# KiCad board boatcontrol.kicad_pcb (continued)
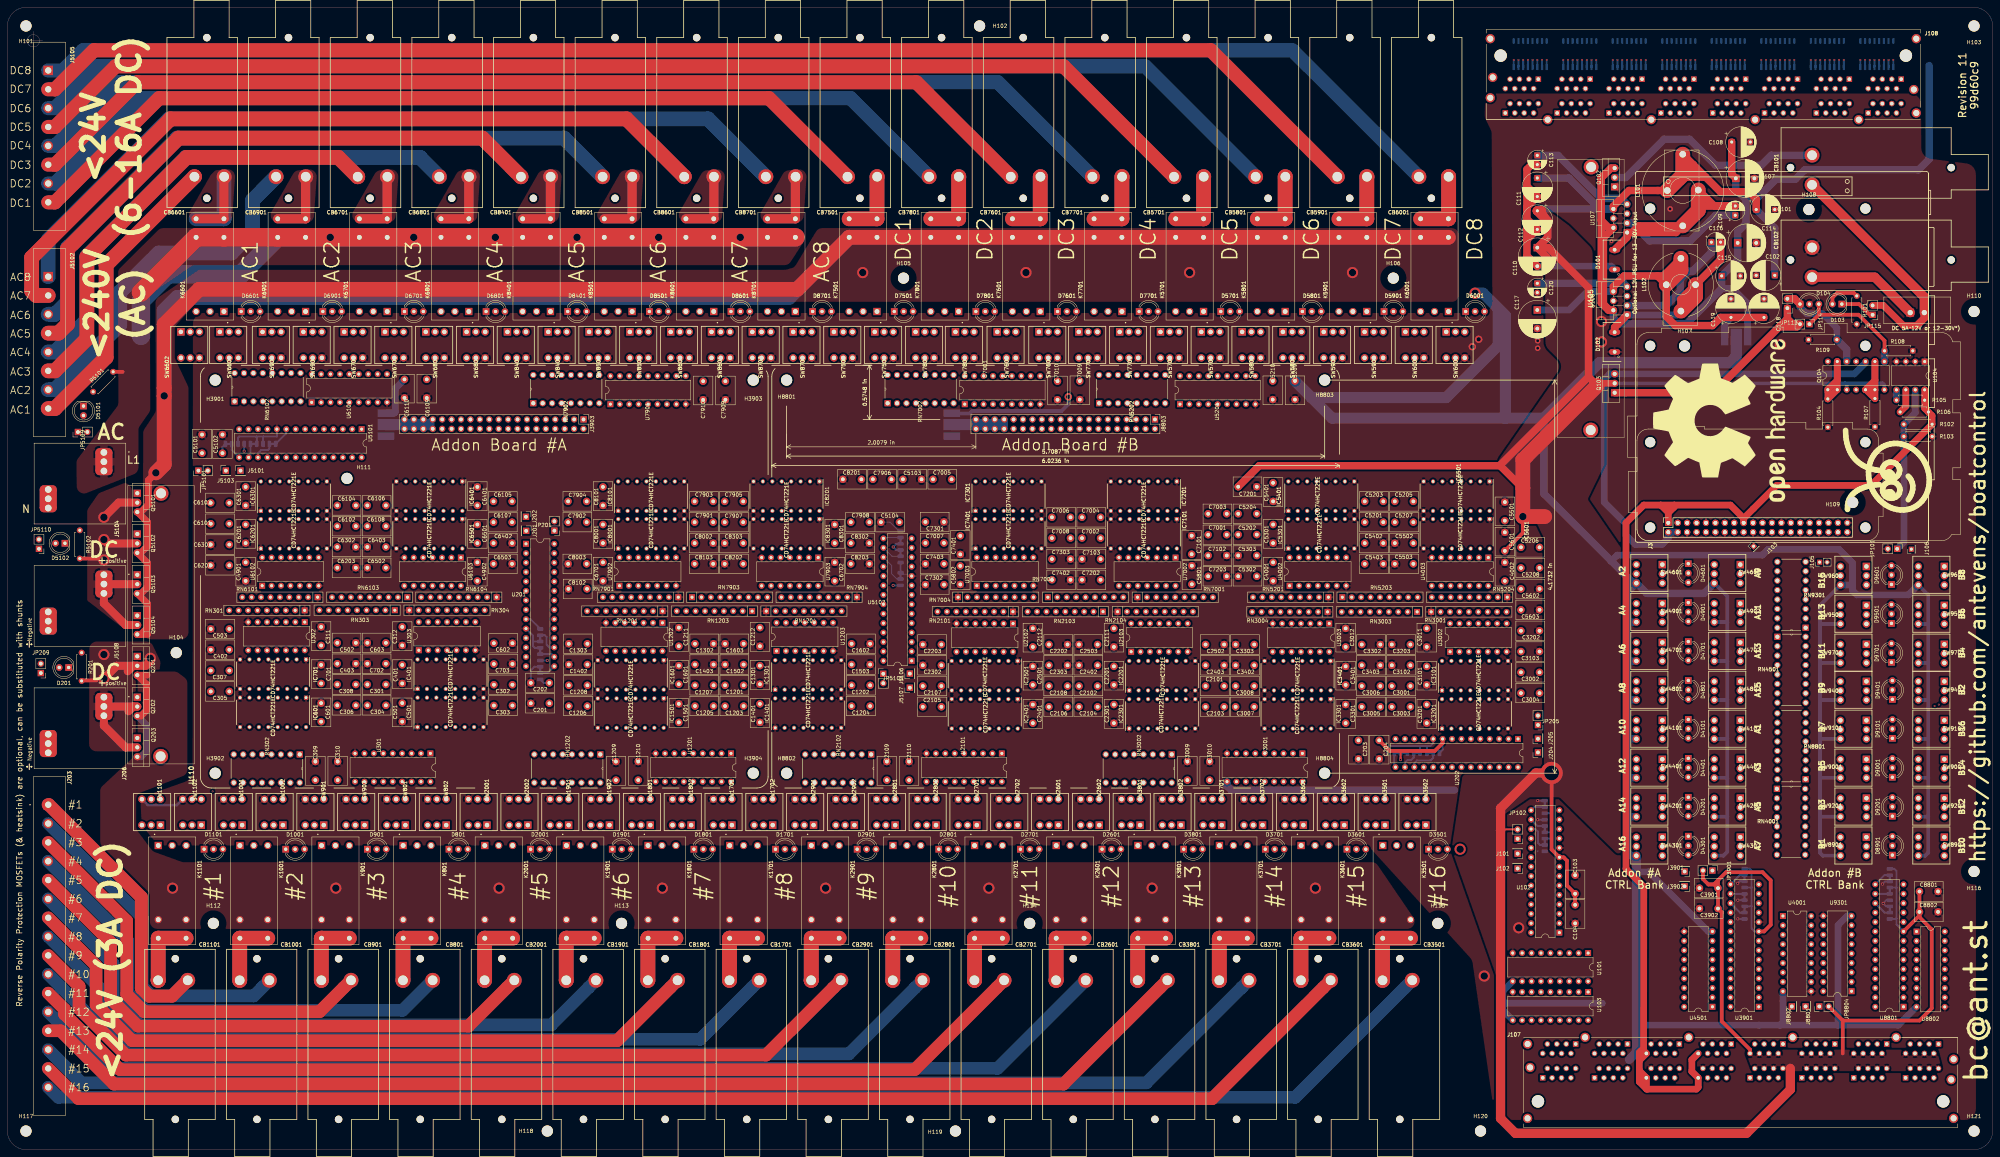
[diagram p0: board, top side]
## Routing (per net, layer and track width the routed paths; a pad name or vN(x,y) marks a point on that pad's centre or on a via; arc(x,y) is an arc through that point) (continued)
/RPiBCM19_MISO: length 249
  In1.Cu w0.25: 490.8,169.02 489.95,169.87 489.93,169.87 489.06,170.75 487.95,170.75 485.39,173.3 478.04,173.3 475.6,175.75 467.16,175.75 464.9,178 459.39,178 456.39,181 437.18,181 436.48,180.3 436.47,180.3 429.97,173.8 v4(428.7,173.8)
  In2.Cu w0.25: J107.L_6 462.01,22.83 461.03,23.82 441.38,23.82 440.08,25.12 440.08,34.49 437.2,37.38 437.2,63.41 426.62,73.98 426.62,171.72 v4(428.7,173.8)
/RPIBCM20_MOSI: length 256.6
  In1.Cu w0.25: 493.34,166.48 492.03,167.79 492.03,169.61 490.39,171.25 488.16,171.25 485.6,173.8 478.25,173.8 475.8,176.25 467.37,176.25 465.11,178.5 459.59,178.5 456.59,181.5 436.96,181.5 429.89,174.43 427.93,174.43 v4(427.4,173.9)
  In2.Cu w0.25: J107.L_5 460.75,22.27 459.7,23.32 441.18,23.32 439.58,24.91 439.58,34.29 436.7,37.17 436.7,63.2 426.12,73.78 426.12,172.62 v4(427.4,173.9)
/RPiBCM21_SCLK: length 273.9
  In1.Cu w0.25: 495.88,166.48 494.57,167.79 494.57,169.61 481.67,182.5 433.5,182.5 v4(426.2,175.2) ; J107.L_4 459.48,18.87 457.08,16.47 440.3,16.47 438.08,18.69 438.08,29.08 427.68,39.49 427.68,53.6 423.12,58.15 422.6,58.15 419.62,61.13 419.62,75.28 421,76.66 v4(421,81)
  In2.Cu w0.25: v4(421,81) 425.12,85.12 425.12,174.12 v4(426.2,175.2)
/RPiBCM22: length 194.5
  In1.Cu w0.25: 465.4,169.02 462.42,172 456.9,172 453.9,175 439.86,175 435.15,170.3 435.15,166.6 434.35,165.8 v4(434,165.8)
  In2.Cu w0.25: v4(434,165.8) 433.65,165.8 432.62,164.78 432.62,76.52 443.2,65.94 443.2,39.86 450.18,32.88 456.48,32.88 459.28,30.08 460.4,30.08 J107.D_3
/RPiBCM23: length 332
  In1.Cu w0.25: 465.4,166.48 464.09,167.79 464.09,169.61 463.45,170.25 462.34,170.25 461.09,171.5 456.69,171.5 453.69,174.5 440.06,174.5 435.65,170.09 435.65,166.3 434.35,165 v4(434,165)
  In2.Cu w0.25: 433.12,76.73 443.7,66.15 443.7,40.07 449.19,34.57 ; 433.12,76.73 433.12,160.95 ; 433.12,76.73 443.75,66.1 443.75,40.02 449.19,34.57 ; 433.12,76.73 433.12,164.48 433.65,165 v4(434,165) ; 449.19,34.57 450.39,33.38 456.68,33.38 459.48,30.58 460.61,30.58 461.61,29.58 462.55,29.58 463.29,28.85 J107.D_2
/RPiBCM25: length 204.6
  In1.Cu w0.25: v4(434,167.8) 434.15,167.95 434.15,170.71 439.44,176 454.32,176 457.31,173 462.83,173 465.09,170.75 470.56,170.75 471.71,169.61 471.71,167.79 473.02,166.48
  In2.Cu w0.25: v4(434,167.8) 431.62,165.42 431.62,76.05 442.2,65.48 442.2,39.45 449.76,31.88 456.06,31.88 J107.D_5
/RPiBCM26: length 263.3
  In1.Cu w0.25: J3.37 492.47,169.87 492.47,169.89 480.36,182 434.3,182 v4(427.4,175.1) ; v4(422,78.8) 422,76.95 420.12,75.07 420.12,61.34 422.81,58.65 423.33,58.65 428.18,53.81 428.18,39.69 438.58,29.29 438.58,18.9 440.5,16.97 456.88,16.97 458.2,18.3 J107.L_3
  In2.Cu w0.25: v4(427.4,175.1) 425.62,173.32 425.62,82.42 v4(422,78.8)
/RPiBCM27_PCM_D: length 191.7
  In1.Cu w0.25: 462.86,169.02 460.88,171 456.49,171 453.49,174 440.27,174 436.15,169.88 436.15,166 434.35,164.2 v4(434,164.2)
  In2.Cu w0.25: v4(434,164.2) 433.62,163.82 433.62,76.93 444.25,66.31 444.25,40.22 450.59,33.88 456.89,33.88 459.67,31.1 460.8,31.1 461.82,30.08 463.93,30.08 464.56,29.46 J107.D_1 464.37,28.47
AC: length 377.9
  Top w1: R5101.2 31.04,209.74
  Top w5: K8701.3 K6901.6 K6601.3 K6601.6 36,231.15
  Bottom w5: K8701.3 v2(197.5,246) v2(175.5,246) v2(153.5,246) v2(131.5,246) v2(109.5,246) v2(87,246) K6901.6 62.87,236.02 43.19,236.02 36,228.84 36,219.45
SCK: length 1026.8
  In1.Cu w0.25: 274.89,173.07 v4(274.88,173.09) 274.73,173.23 246.48,173.23 v4(244.3,171.05) ; 475.2,74.9 475.23,74.93 477.94,74.93 481.24,71.63 496.83,71.63 500.76,67.7 505.2,67.7 506.1,68.6 508.84,68.6 U8801.12 ; 475.2,74.9 v4(475.2,78.1) ; 475.2,74.9 475.2,69.64 U3901.12 ; v4(244.95,167.45) 243.88,167.45 242.02,165.59 242.02,162.22 243.7,160.54 U5102.12 ; v4(107.5,191.8) 105.17,191.8 97.77,199.2 72.46,199.2 U5101.12 ; U102.12 423.1,81.59 423.1,77.34 420.62,74.87 420.62,65.22 424.45,61.4 v4(424.45,58.85) 428.68,54.62 428.68,39.9 439.08,29.5 439.08,19.1 440.71,17.47 451.82,17.47 452.6,18.25 452.6,19.55 451.5,20.65 446.75,20.65 J107.K_4 ; U201.12 138.37,136.79 138.37,178.15 v4(138.91,178.69) 141.97,181.75 203.55,181.75 204.05,182.25 v4(228.65,182.25) ; v4(405.22,177.88) 405.93,177.17 405.93,161.57 414.78,152.72 414.78,122.23 413.49,120.95 411.01,120.95 406.15,116.09 v4(406.15,113.75) ; v4(283.5,180) 283.77,179.73 291.68,179.73 293.06,181.11 316.84,181.11 317.5,180.45 317.87,180.45 323.35,185.93 323.35,186.88 323.95,187.48 v4(324.88,187.48) ; v4(467.35,39.15) 467.35,38.74 464.26,35.65 450,35.65 v4(428.1,57.55) ; 368.65,180.4 v4(368.65,180.35) v4(375.75,187.45) ; J3.5 453.95,167.75 453.95,165.78 454.95,164.78 472.2,164.78 476.18,160.8 477.91,160.8 483.1,155.61 v4(483.1,142.3)
  In2.Cu w0.25: 404.57,177.88 371.12,177.88 ; 371.12,177.88 v4(368.65,180.35) ; 371.12,177.88 v4(405.22,177.88) ; v4(324.88,187.48) 375.72,187.48 v4(375.75,187.45) 421.28,187.45 434.23,174.5 447.2,174.5 J3.5 ; v4(283.5,180) 281.79,180 v4(274.88,173.09) ; v4(406.15,113.75) 404.49,112.09 393.7,112.09 393.02,112.77 393.02,114.29 391.28,116.03 386.98,116.03 383.57,112.62 381.05,112.62 U202.12 ; v4(475.2,78.1) 475.2,80 472.63,82.57 472.63,96.03 475.2,98.6 478.95,98.6 483.1,102.75 v4(483.1,142.3) ; v4(244.95,167.45) 244.95,170.4 v4(244.3,171.05) 243.49,171.05 239.66,174.87 234.1,174.87 231.7,177.27 231.7,181.24 230.69,182.25 v4(228.65,182.25) ; v4(428.1,57.55) 426.8,58.85 v4(424.45,58.85) ; v4(107.5,191.8) 107.5,189.57 114.28,182.8 134.8,182.8 v4(138.91,178.69) ; U3901.12 470.05,64.49 470.05,41.85 v4(467.35,39.15)
SDA: length 993.9
  In1.Cu w0.25: v4(482.4,141.6) 482.4,155.6 477.7,160.3 475.5,160.3 v4(471.7,164.1) ; U3901.13 474.5,71.48 v4(474.5,79.4) 474.89,79.4 481.69,72.6 496.6,72.6 497.04,72.16 497.04,72.13 498.82,70.34 509.63,70.34 U8801.13 ; U5101.13 70.42,199.7 97.98,199.7 105.18,192.5 v4(106.5,192.5) ; U5102.13 242.52,163.46 242.52,165.38 243.39,166.25 v4(245.95,166.25) ; v4(426.91,59.65) 450.41,36.15 464.05,36.15 466.25,38.35 v4(466.25,39.15) ; v4(426.91,59.65) 426.91,57.45 429.18,55.18 429.18,40.11 439.58,29.7 439.58,19.31 440.92,17.97 443.91,17.97 444.24,18.3 J107.K_3 ; v4(426.91,59.65) 421.12,65.43 421.12,74.66 423.6,77.14 423.6,83.63 U102.13 ; v4(316.9,180.12) 317.29,179.73 317.86,179.73 324.25,186.12 v4(324.25,186.85) ; v4(270.75,182.45) 269.8,183.4 228.45,183.4 v4(228.05,183) 204.09,183 203.34,182.25 140.68,182.25 137.87,179.45 v4(137.87,178.57) 137.87,134.75 U201.13 ; v4(404.95,176.8) 405.43,176.33 405.43,161.36 414.28,152.51 414.28,122.44 413.29,121.45 410.8,121.45 v4(404.57,115.22) ; v4(368,179) 368.35,179 376.18,186.82 v4(376.18,186.82)
  In2.Cu w0.25: v4(404.57,115.22) 403.15,113.8 403.15,113 402.74,112.59 396.33,112.59 395.55,113.37 395.55,114.05 393.07,116.53 386.77,116.53 383.37,113.12 379.01,113.12 U202.13 ; v4(228.05,183) 234.29,183 234.87,182.42 234.87,179.26 236.76,177.37 237.87,177.37 243.42,171.82 244.88,171.82 245.95,170.75 v4(245.95,166.25) ; v4(482.4,141.6) 482.4,105.55 478,101.15 475.55,101.15 472.13,97.73 472.13,81.77 v4(474.5,79.4) ; v4(316.9,180.12) 315.91,181.11 304.75,181.11 304.23,181.63 273.7,181.63 272.89,182.45 v4(270.75,182.45) ; v4(368,179) 369.62,177.38 388.82,177.38 388.95,177.25 404.51,177.25 v4(404.95,176.8) ; v4(324.25,186.85) 324.6,186.85 324.63,186.82 v4(376.18,186.82) 421.19,186.82 434.02,174 445.16,174 J3.3 451.41,167.75 453.49,167.75 453.95,167.29 453.95,165.68 455.53,164.1 v4(471.7,164.1) ; v4(466.25,39.15) 469.55,42.45 469.55,66.53 U3901.13 ; 376.15,186.9 376.13,186.9 ; v4(106.5,192.5) 106.5,189.5 113.7,182.3 133.8,182.3 137.52,178.57 v4(137.87,178.57)
Net-(C109-Pad1): length 34
  Bottom w2: U107.3 437.77,249.84 442.56,245.05 453.5,245.05 460.4,251.95 C109.1
Net-(C109-Pad2): length 77.3
  Top w2: 437.85,247.3 439.65,249.1 L101.1 ; 437.85,247.3 449.7,247.3 L101.1 ; 437.85,247.3 U107.1 436.5,246.02 D101.1 ; L101.1 456.85,254.45 ; 456.85,254.45 C109.2 459.99,254.45 L101.1 ; 456.85,254.45 455.69,253.29
  Top w4: L101.1 455.69,253.29 L101.1
Net-(C110-Pad2): length 73.9
  Top w2: 409.5,259.8 409.5,264.3 410.8,265.6 C113.2 ; 409.5,259.8 C111.2 ; 409.5,259.8 409.5,257.25 ; 409.5,245.3 409.5,245.34 C112.2 ; 409.5,245.3 409.5,241.02 C110.2 ; 409.5,245.3 409.5,248.15 ; C112.2 409.51,248.14 409.5,248.15 ; C112.2 409.5,250.94 ; 409.5,257.25 409.5,253.7 ; 409.5,257.25 409.75,257 C111.2 ; 409.5,253.7 409.5,250.94 ; 409.5,253.7 409.5,254.2 C111.2 ; 409.5,250.94 409.5,248.15
  Bottom w1.8: D101.2 432.25,238.22 C110.2
Net-(C113-Pad1): length 29.7
  Bottom w2: C113.1 417.9,268.1 429.5,256.5 434.92,256.5 U107.7
Net-(C116-Pad1): length 33.4
  Bottom w2: U108.3 447.01,227.61 450.85,231.45 450.85,234.75 452.95,236.85 454.15,236.85 459.2,241.9 C116.1
Net-(C116-Pad2): length 52.7
  Top w2: U108.1 433.14,221.71 D102.1 ; C116.2 461.7,239.98 L102.1 451,229.28 L102.1
  Top w4: L102.1 454.94,230.05 L102.1
  Bottom w1.8: L102.1 449.96,225.07 U108.1
Net-(C117-Pad1): length 100.2
  Top w2: U108.6 432.8,232.69 435.71,235.6 444.68,235.6 ; L102.2 446.27,235.6 444.68,235.6 ; 444.68,235.6 L102.2 447.06,224.64 449.5,222.2 459.5,222.2 461.7,224.4 C119.1 C118.1
  Top w4: L102.2 451,237.16 L102.2
  Bottom w1.8: C117.1 420.85,226.4 425.87,231.42 U108.6
  Bottom w2: C119.1 462.8,222.7 JP110.1
Net-(C120-Pad1): length 24.6
  Bottom w2: U108.7 435.59,233.6 C120.1
Net-(CB101-PadP2): length 61.5
  Bottom w2: CB101.P2 475.35,268.15 472.65,265.45 460.35,265.45 453.35,272.45 446.46,272.45 436.15,262.14 Q102.2
Net-(D103-Pad1): length 9.5
  Top w1: D103.1 499,228 501.9,225.1 JP115.1
Net-(D103-Pad2): length 9.2
  Top w1: R101.1 497.6,231 493.1,231 491.83,229.73 D103.2
Net-(D104-Pad1): length 27.2
  Top w2: JP113.2 481.66,229.44 D104.1
  Bottom w1.8: R109.2 493.02,221.53 489.15,225.4 484.9,225.4 483.1,227.2 D104.1
  Bottom w2: Q104.12 495.68,215.74 R109.2
Net-(D104-Pad3): length 32.7
  Top w1: D104.3 488.18,225.13 ; 488.18,225.13 JP114.1 ; 488.18,225.13 498.87,225.13 505.88,218.12 R108.2
  Bottom w2: R108.2 505.88,212.56 Q104.8
Net-(D201-Pad1): length 5.4
  In1.Cu w1: D201.1 20,133.5 R201.1
Net-(D201-Pad2): length 5.4
  In1.Cu w1: D201.2 12.92,131.04 JP209.2
Net-(D5101-Pad1): length 4.9
  In2.Cu w1: R5101.1 23.1,203.1 D5101.1
Net-(D5101-Pad2): length 4.9
  In2.Cu w1: JP5109.2 21.54,196.92 D5101.2
Net-(D5102-Pad1): length 5.4
  In1.Cu w1: R5102.1 19,167 D5102.1
Net-(D5102-Pad2): length 4.9
  In1.Cu w1: JP5110.2 11.92,164.54 D5102.2
Net-(IC401-Pad2): length 54.3
  In1.Cu w0.25: IC401.2 113.06,125.03 110.64,127.45 105.59,127.45 v4(105.41,127.63)
  In2.Cu w0.25: v4(105.41,127.63) 105.41,128.34 104.2,129.55 104.2,139.28 101.66,141.82 88.69,141.82 85.94,139.07 78.23,139.07 U302.3
Net-(IC401-Pad10): length 67.7
  In1.Cu w0.25: IC401.10 125.76,132.97 124.85,133.88 124.85,135.5 123.9,136.45 108.3,136.45 107.1,137.65 v4(104.86,137.65) ; v4(78.85,140.2) 69.48,140.2 U302.6
  In2.Cu w0.25: v4(78.85,140.2) 80.82,140.2 83.85,143.23 101.52,143.23 104.86,139.89 v4(104.86,137.65)
Net-(IC401-Pad11): length 10
  In1.Cu w0.25: IC401.11 118.14,127.09 IC401.4
Net-(IC401-Pad12): length 10
  In1.Cu w0.25: IC401.12 115.6,127.09 IC401.3
Net-(IC501-Pad2): length 63.5
  In2.Cu w0.25: U302.8 66.22,133.3 68.6,133.3 69.1,132.8 69.1,131.56 71.51,129.15 75.14,129.15 75.71,128.58 86.45,128.58 87.62,127.4 97.55,127.4 98.72,128.58 103.72,128.58 104.25,128.05 104.25,119.39 105.69,117.95 109.04,117.95 IC501.2
Net-(IC501-Pad10): length 70.4
  In2.Cu w0.25: U302.11 74.1,133.04 74.1,130.9 75.92,129.08 86.66,129.08 87.83,127.9 97.34,127.9 98.52,129.08 103.97,129.08 104.75,128.29 104.75,119.6 105.9,118.45 108.75,118.45 111.8,121.5 111.8,122.65 112.25,123.1 124.53,123.1 IC501.10
Net-(IC501-Pad11): length 10
  In1.Cu w0.25: IC501.4 118.14,116.79 IC501.11
Net-(IC501-Pad12): length 10
  In1.Cu w0.25: IC501.12 115.6,116.79 IC501.3
Net-(IC601-Pad2): length 52.3
  In1.Cu w0.25: v4(103.45,123.7) 104.25,124.5 104.25,127.69 104.86,128.3 113.12,128.3 116.75,131.92 116.75,133.85 U303.3
  In2.Cu w0.25: IC601.2 79.2,123.13 79.2,124.34 81.93,127.08 85.12,127.08 86.9,125.29 86.9,124.29 87.89,123.3 103.05,123.3 v4(103.45,123.7)
Net-(IC601-Pad10): length 102.5
  In2.Cu w0.25: U303.6 124.4,133.82 124.4,131.35 126.4,129.35 134.45,129.35 137.75,126.05 137.75,118.9 130.84,111.99 67.18,111.99 IC601.10
Net-(IC601-Pad11): length 10
  In1.Cu w0.25: IC601.4 67.78,116.79 IC601.11
Net-(IC601-Pad12): length 10
  In1.Cu w0.25: IC601.12 70.32,116.79 IC601.3
Net-(IC701-Pad2): length 63
  In1.Cu w0.25: U303.8 123.94,140.1 119.45,140.1 118.9,139.55 105.49,139.55 104.49,140.55 102.67,140.55 v4(101.12,139)
  In2.Cu w0.25: v4(101.12,139) 99.22,137.1 99.22,130.48 97.14,128.4 88.04,128.4 86.7,129.74 86.7,131.95 85.95,132.7 83.8,132.7 81.95,130.85 79.26,130.85 IC701.2
Net-(IC701-Pad10): length 74.4
  In1.Cu w0.25: U303.11 117.02,140.8 115.3,140.8 114.65,141.45 114.65,142.9 114.1,143.45 104.27,143.45 v4(101.31,140.49) ; IC701.10 65.24,125.26 71.55,131.57 71.55,132.65 72.2,133.3 v4(78.9,133.3)
  In2.Cu w0.25: v4(78.9,133.3) 86.5,133.3 87.2,132.6 87.2,129.95 88.25,128.9 96.93,128.9 98.72,130.69 98.72,137.9 v4(101.31,140.49)
Net-(IC701-Pad11): length 10
  In1.Cu w0.25: IC701.4 67.78,127.09 IC701.11
Net-(IC701-Pad12): length 10
  In1.Cu w0.25: IC701.12 70.32,127.09 IC701.3
Net-(IC1301-Pad2): length 59.9
  In1.Cu w0.25: U1202.3 172.7,140.8 172.7,133.35 173.05,133 173.05,131.4 170.52,128.87 170.52,123.57 171.24,122.85 208.28,122.85 IC1301.2
Net-(IC1301-Pad10): length 72.9
  In1.Cu w0.25: v4(210.13,140.13) 208.87,138.87 200.79,138.87 196.14,143.52 v4(185.9,143.52)
  In2.Cu w0.25: U1202.6 165.31,143.52 v4(185.9,143.52) ; v4(210.13,140.13) 211.08,139.18 211.08,133.43 211.43,133.08 212.7,133.08 213.28,132.5 213.28,131.08 215.56,128.8 221.15,128.8 222.16,129.81 IC1301.10
Net-(IC1301-Pad11): length 10
  In1.Cu w0.25: IC1301.11 219.62,129.11 IC1301.4
Net-(IC1301-Pad12): length 10
  In1.Cu w0.25: IC1301.12 212,126.89 IC1301.3
Net-(IC1401-Pad2): length 70.1
  In2.Cu w0.25: IC1401.2 206.62,116.58 189.62,116.58 189.1,117.1 185.2,117.1 183.65,118.65 183.65,136.6 182.43,137.82 164.69,137.82 U1202.8
Net-(IC1401-Pad10): length 64.7
  In1.Cu w0.25: v4(172.4,128.95) 172.97,128.38 185.84,128.38 189.96,132.5 194.2,132.5 197.95,128.75 205.35,128.75 v4(206.6,130)
  In2.Cu w0.25: v4(172.4,128.95) 170.55,130.8 170.55,132.79 U1202.11 ; v4(206.6,130) 212.94,130 218.35,124.59 218.35,123.6 219.1,122.85 220.98,122.85 IC1401.10
Net-(IC1401-Pad11): length 10
  In1.Cu w0.25: IC1401.4 214.54,116.59 IC1401.11
Net-(IC1401-Pad12): length 10
  In1.Cu w0.25: IC1401.3 212,116.59 IC1401.12
Net-(IC1501-Pad2): length 54.7
  In1.Cu w0.25: IC1501.2 176.15,119.86 177.62,119.86 180.05,122.29 204.21,122.29 206.59,119.91 210.03,119.91 210.74,120.62 210.74,128.1 213.27,130.63 213.27,133.53 U1203.3
Net-(IC1501-Pad10): length 75.3
  In1.Cu w0.25: v4(216.79,130.04) 213.27,126.52 213.27,121.11 210.33,118.17 206.77,118.17 203.37,121.58 197.41,121.58 192.91,117.08 187.15,117.08 183.95,113.88 v4(183.95,113.45)
  In2.Cu w0.25: IC1501.10 163.07,112.3 182.8,112.3 v4(183.95,113.45) ; v4(216.79,130.04) 217.15,130.04 218.36,131.26 218.36,132.84 U1203.6
Net-(IC1501-Pad11): length 10
  In1.Cu w0.25: IC1501.4 164.18,116.59 IC1501.11
Net-(IC1501-Pad12): length 10
  In1.Cu w0.25: IC1501.3 166.72,116.59 IC1501.12
Net-(IC1601-Pad2): length 58.1
  In1.Cu w0.25: IC1601.2 177.43,128.88 185.63,128.88 190.31,133.55 193.31,133.55 197.54,137.78 199.06,137.78 200.62,136.22 200.62,135.89 202.31,134.2 203.97,134.2 203.98,134.21 203.98,134.21 206.59,136.82 217.26,136.82 U1203.8
Net-(IC1601-Pad10): length 67
  In1.Cu w0.25: v4(171.75,127.1) 172.53,127.88 193.43,127.88 v4(195.3,129.75) ; v4(195.3,138.9) 195.43,138.78 199.47,138.78 200.43,137.82 210.64,137.82 U1203.11
  In2.Cu w0.25: v4(195.3,138.9) v4(195.3,129.75) ; v4(171.75,127.1) 164.71,127.1 IC1601.10
Net-(IC1601-Pad11): length 10
  In1.Cu w0.25: IC1601.11 164.18,126.89 IC1601.4
Net-(IC1601-Pad12): length 10
  In1.Cu w0.25: IC1601.12 166.72,126.89 IC1601.3
Net-(IC2201-Pad2): length 55.8
  In1.Cu w0.25: v4(294.6,137.95) 295.18,137.37 295.18,129.72 296.48,128.42 301.17,128.42 v4(301.68,128.93) ; U2102.3 v4(265.93,137.43)
  In2.Cu w0.25: v4(294.6,137.95) 278.63,137.95 277.8,137.12 274.78,137.12 274.31,137.59 266.6,137.59 266.44,137.43 v4(265.93,137.43) ; v4(301.68,128.93) 302.1,128.5 302.1,126.59 IC2201.2
Net-(IC2201-Pad10): length 77
  In1.Cu w0.25: U2102.6 v4(258.31,137.19) ; v4(286.15,139.3) 287.25,138.2 287.25,133.7 288.97,131.98 289.46,131.98 290.18,131.26 290.18,129.82 292.62,127.38 315.83,127.38 v4(316.15,127.7)
  In2.Cu w0.25: v4(316.15,127.7) 317.56,129.11 IC2201.10 ; v4(258.31,137.19) 258.31,137.24 258.4,137.32 261.38,137.32 262.15,138.09 274.73,138.09 275.2,137.62 277.6,137.62 278.42,138.45 285.3,138.45 v4(286.15,139.3)
Net-(IC2201-Pad11): length 10
  In2.Cu w0.25: IC2201.4 315.02,128.91 IC2201.11
Net-(IC2201-Pad12): length 10
  In2.Cu w0.25: IC2201.3 312.48,128.91 IC2201.12
Net-(IC2301-Pad2): length 61.9
  In1.Cu w0.25: v4(283.24,123.33) 283.24,119.34 285.7,116.88 288.47,116.88 288.97,116.38 302.82,116.38 304.86,114.33 IC2301.2 ; U2102.8 257.05,132.95 257.75,132.95 258.3,132.4 258.3,131.7 v4(259.73,130.28)
  In2.Cu w0.25: v4(283.24,123.33) 283.24,124.5 281.06,126.68 275.69,126.68 275.29,126.27 270.13,126.27 268.94,127.46 262.54,127.46 v4(259.73,130.28)
Net-(IC2301-Pad10): length 69
  In1.Cu w0.25: U2102.11 264.72,132.9 267.8,132.9 268.45,132.25 268.45,130.96 266.41,128.92 v4(266.41,125.83) ; v4(287.43,121.93) 293.3,121.93 296.76,118.47 315.37,118.47 v4(315.62,118.72)
  In2.Cu w0.25: IC2301.10 317.56,120.67 v4(315.62,118.72) ; v4(287.43,121.93) 280.33,121.93 279.89,122.38 275.42,122.38 273.03,124.77 269.51,124.77 268.45,125.83 v4(266.41,125.83)
Net-(IC2301-Pad11): length 10
  In2.Cu w0.25: IC2301.4 309.94,114.33 315.02,119.41 IC2301.11
Net-(IC2301-Pad12): length 10
  In2.Cu w0.25: IC2301.12 312.48,118.61 IC2301.3
Net-(IC2401-Pad2): length 51.4
  In2.Cu w0.25: IC2401.2 271.01,120.2 274.2,120.2 275.38,121.38 279.47,121.38 280.07,120.78 289.03,120.78 291.95,123.7 291.95,130.79 293.34,132.18 299.22,132.18 300.95,133.91 300.95,135.34 301.53,135.93 306.25,135.93 U2103.3
Net-(IC2401-Pad10): length 77.2
  In1.Cu w0.25: IC2401.10 257.04,118.84 258.3,120.1 258.3,124.03 263.18,128.91 v4(263.54,128.91)
  In2.Cu w0.25: v4(263.54,128.91) 263.99,128.46 269.36,128.46 270.54,127.27 274.86,127.27 275.27,127.68 287.91,127.68 290.82,130.59 290.82,131.7 291.15,132.02 292.48,132.02 293.13,132.68 299.01,132.68 300.45,134.11 300.45,135.55 301.33,136.43 306.45,136.43 307.44,135.44 314.35,135.44 U2103.6
Net-(IC2401-Pad11): length 10
  In1.Cu w0.25: IC2401.11 259.58,116.39 IC2401.4
Net-(IC2401-Pad12): length 10
  In1.Cu w0.25: IC2401.3 262.12,116.39 IC2401.12
Net-(IC2501-Pad2): length 57.1
  In1.Cu w0.25: U2103.8 v4(313.71,137.49)
  In2.Cu w0.25: v4(313.71,137.49) 313.54,137.33 307.75,137.33 307.34,136.93 301.12,136.93 299.95,135.76 299.95,135.26 298.86,134.17 288.28,134.17 286.78,132.68 280.03,132.68 279.06,131.7 275.71,131.7 274.9,130.89 274.9,129.43 274.24,128.77 271.16,128.77 270.3,129.63 270.3,131.21 IC2501.2
Net-(IC2501-Pad10): length 71.4
  In1.Cu w0.25: v4(291.45,131.4) 291.45,134.4 v4(291.88,134.82) ; U2103.11 v4(310.46,137.96)
  In2.Cu w0.25: v4(291.45,131.4) 291.45,123.91 288.82,121.28 280.28,121.28 279.68,121.88 273.68,121.88 272.9,122.65 258.22,122.65 IC2501.10 ; v4(291.88,134.82) 294.46,134.82 297.06,137.43 307.1,137.43 307.64,137.96 v4(310.46,137.96)
Net-(IC2501-Pad11): length 10
  In1.Cu w0.25: IC2501.4 264.66,128.91 IC2501.11
Net-(IC2501-Pad12): length 10
  In1.Cu w0.25: IC2501.3 265.16,129.73 265.16,126.87 IC2501.12
Net-(IC3101-Pad2): length 12.4
  In1.Cu w0.25: IC3101.2 389.16,127.11 392.95,130.9 392.95,133.32 U3002.3
Net-(IC3101-Pad10): length 2.6
  In1.Cu w0.25: IC3101.10 401.86,133.89 U3002.6
Net-(IC3101-Pad11): length 10
  In1.Cu w0.25: IC3101.11 394.24,126.69 IC3101.4
Net-(IC3101-Pad12): length 10
  In1.Cu w0.25: IC3101.3 391.7,126.69 IC3101.12
Net-(IC3201-Pad2): length 64.4
  In1.Cu w0.25: IC3201.2 389.96,113.53 391.29,112.2 395.15,112.2 395.7,111.65 v4(395.7,109.5)
  In2.Cu w0.25: U3002.8 404.04,140.74 406.63,138.15 408.35,138.15 411.21,135.29 411.21,117.56 410.2,116.55 410.2,108.31 408.3,106.41 398.02,106.41 395.7,108.72 v4(395.7,109.5)
Net-(IC3201-Pad10): length 23.7
  In2.Cu w0.25: U3002.11 400.25,138.04 400.25,133 400.6,132.65 400.6,131.15 403.15,128.6 403.15,122.76 IC3201.10
Net-(IC3201-Pad11): length 10
  In1.Cu w0.25: IC3201.4 394.24,116.39 IC3201.11
Net-(IC3201-Pad12): length 10
  In1.Cu w0.25: IC3201.12 396.78,119.64 393.74,116.6 393.74,115.57 IC3201.3
Net-(IC3301-Pad2): length 21.6
  In2.Cu w0.25: U3003.3 351.15,136.55 352.45,135.25 352.45,133.05 352.75,132.75 352.75,122.76 IC3301.2
Net-(IC3301-Pad10): length 31.9
  In1.Cu w0.25: v4(341.34,119.51) IC3301.10
  In2.Cu w0.25: U3003.6 343.53,140.47 344.85,139.15 344.85,133.45 344.3,132.9 343.3,132.9 342.65,132.25 342.65,127.25 340.15,124.75 340.15,120.7 v4(341.34,119.51)
Net-(IC3301-Pad11): length 10
  In1.Cu w0.25: IC3301.4 343.88,116.39 IC3301.11
Net-(IC3301-Pad12): length 12.9
  In1.Cu w0.25: 346.42,116.39 IC3301.3 ; 346.42,116.39 IC3301.12 346.42,116.39
Net-(IC3401-Pad2): length 19.2
  In1.Cu w0.25: IC3401.2 352.86,132.95 350.3,132.95 349.9,133.35 349.9,135.1 v4(348.5,136.5) ; U3003.8 344.86,138.1 v4(348.5,138.1)
  In2.Cu w0.25: v4(348.5,138.1) v4(348.5,136.5)
Net-(IC3401-Pad10): length 13.4
  In1.Cu w0.25: IC3401.10 341.34,124.86 347.7,131.22 347.7,132.6 348.61,133.51 U3003.11
Net-(IC3401-Pad11): length 10
  In1.Cu w0.25: IC3401.11 343.88,126.69 IC3401.4
Net-(IC3401-Pad12): length 10
  In1.Cu w0.25: IC3401.12 346.42,126.69 IC3401.3
Net-(IC5301-Pad2): length 13.7
  In1.Cu w0.25: U4002.3 350.63,157.67 351.99,159.03 351.99,160.04 351.19,160.85 350.08,160.85 349.41,161.51 348.32,161.51 IC5301.2
Net-(IC5301-Pad10): length 20.1
  In1.Cu w0.25: v4(361.43,157.68) 360.73,156.98 360.73,155.79 358.25,153.32 U4002.6
  In2.Cu w0.25: 360.44,170.02 361.43,169.04 361.43,167.83 361.42,167.82 361.42,160.77 361.97,160.23 361.97,158.22 v4(361.43,157.68)
Net-(IC5301-Pad11): length 15.2
  In1.Cu w0.25: 352.82,162.08 353.77,163.02 359.67,163.02 360,163.35 v4(360,163.77)
  In2.Cu w0.25: 357.9,170.02 360,167.93 v4(360,163.77)
Net-(IC5301-Pad12): length 14.8
  In1.Cu w0.25: v4(357.35,163.8) 357.07,163.52 351.73,163.52 IC5301.3
  In2.Cu w0.25: v4(357.35,163.8) 355.37,165.78 IC5301.12
Net-(IC5401-Pad2): length 26.1
  In1.Cu w0.25: 357.6,157.2 v4(357.57,157.22) 356.9,157.9 356.9,160.22 356.21,160.91 v4(352.02,160.91)
  In2.Cu w0.25: v4(357.57,157.22) 358.88,157.22 360.79,159.13 U4002.8 ; IC5401.2 349,170.98 349,165.5 351.56,162.94 351.56,161.38 v4(352.02,160.91)
Net-(IC5401-Pad10): length 26.2
  In2.Cu w0.25: 360.44,180.17 354.1,173.83 354.1,171.45 353.8,171.15 352.3,171.15 351.88,170.73 351.88,165.27 354.05,163.1 353.95,163 353.95,161.58 353.17,160.8 U4002.11
Net-(IC5401-Pad11): length 10
  In2.Cu w0.25: 352.82,172.23 352.82,174.06 357.9,179.14 357.9,180.17
Net-(IC5401-Pad12): length 10
  In2.Cu w0.25: IC5401.3 355.37,177.31 IC5401.12
Net-(IC5501-Pad2): length 21.7
  In1.Cu w0.25: 396.9,180.17 395.31,178.57 395.31,160.94 U4003.3
Net-(IC5501-Pad10): length 14.2
  In1.Cu w0.25: U4003.6 385.6,160.45 385.6,163.22 384.62,164.2 384.62,167.23 385.47,168.08 385.47,170.96 IC5501.10
Net-(IC5501-Pad11): length 11.6
  In1.Cu w0.25: IC5501.11 387.69,173.17 390.32,173.17 391.82,174.68 IC5501.4
Net-(IC5501-Pad12): length 11.6
  In1.Cu w0.25: IC5501.12 390.08,172.23 391.02,173.17 392.87,173.17 394.37,174.66 IC5501.3
Net-(IC5601-Pad2): length 26.1
  In1.Cu w0.25: U4003.8 v4(388.73,156.9) ; v4(394.05,157.55) 395.2,158.7 395.2,160.02 395.81,160.63 395.81,168.92 396.9,170.02
  In2.Cu w0.25: v4(394.05,157.55) 393.4,156.9 v4(388.73,156.9)
Net-(IC5601-Pad10): length 13.1
  In2.Cu w0.25: IC5601.10 385.1,161.19 385.1,158.41 U4003.11
Net-(IC5601-Pad11): length 11.4
  In1.Cu w0.25: IC5601.4 390.88,169.08 388.6,169.08 386.75,167.23 IC5601.11
Net-(IC5601-Pad12): length 11.3
  In1.Cu w0.25: IC5601.3 394.37,167.81 392.55,166 390.34,166 389.29,164.94 IC5601.12
Net-(IC6201-Pad2): length 11.2
  In1.Cu w0.25: IC6201.2 72.45,160.48 72.45,153.33 U6102.3
Net-(IC6201-Pad10): length 19.9
  In1.Cu w0.25: U6102.6 81.35,154.05 80.06,155.34 80.06,162.49 83.55,165.97 IC6201.10
Net-(IC6201-Pad11): length 10
  In1.Cu w0.25: IC6201.11 81,167.16 IC6201.4
Net-(IC6201-Pad12): length 10
  In1.Cu w0.25: IC6201.3 78.47,167.16 IC6201.12
Net-(IC6301-Pad2): length 23.4
  In1.Cu w0.25: v4(76,166.95) 74.7,166.95 72.1,169.55 72.1,170.98 IC6301.2
  In2.Cu w0.25: v4(76,166.95) 77.2,165.75 77.2,161.65 77.85,161 79.31,161 80.05,160.26 80.05,159 80.8,158.25 82.47,158.25 U6102.8
Net-(IC6301-Pad10): length 25.2
  In1.Cu w0.25: v4(80.23,164.18) 79.56,163.51 79.56,162.28 79.56,162.28 79.56,161.19 79.27,160.9 77.5,160.9 U6102.11
  In2.Cu w0.25: IC6301.10 83.55,176.87 79.41,172.73 79.41,166.6 80.23,165.78 v4(80.23,164.18)
Net-(IC6301-Pad11): length 10